# Altium PCB STB_LightBoard.PcbDoc (part 28 of 31)
Units mm, origin at the board's own origin, x right, y up, seen from the top; angles counter-clockwise.
Board outline 348 x 348 mm, 2 copper layers (Top Layer, Bottom Layer), stack 1.672 mm thick; 3807 components, 3391 nets, 11616 pads, 2553 vias.
Unrouted connection lines stored in the file: 68.
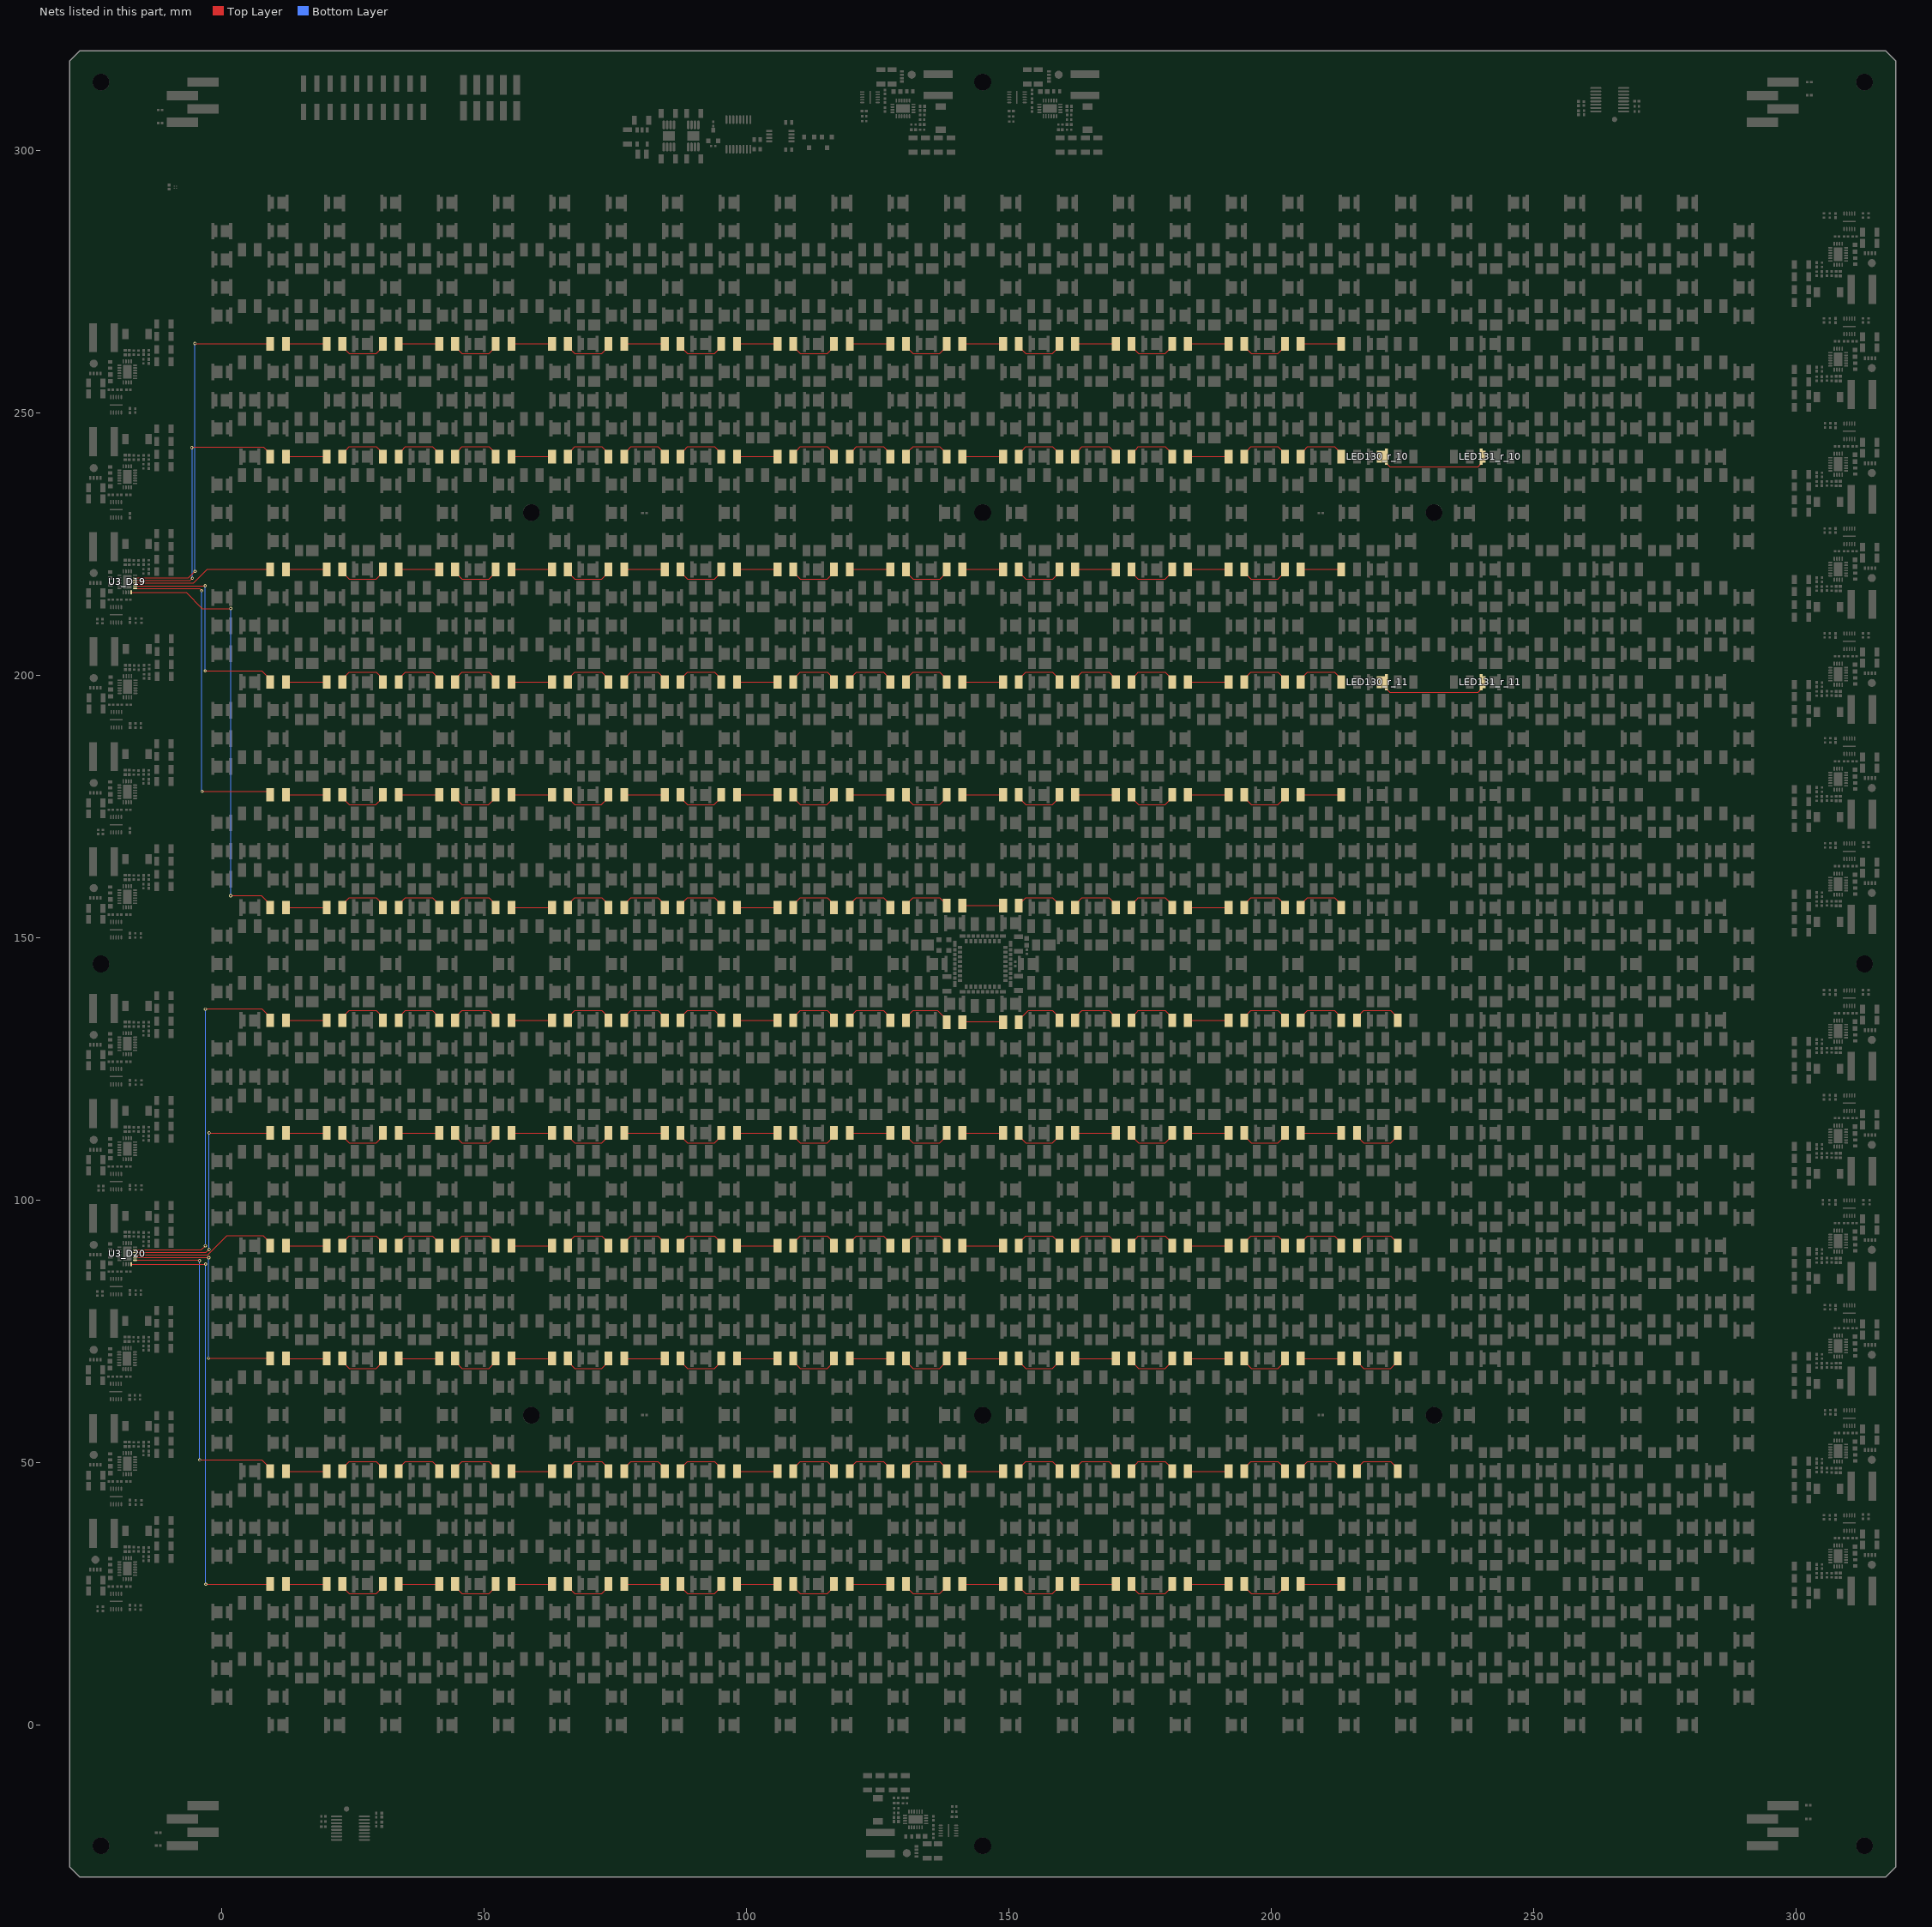
[diagram p28: the nets of this part, all layers, seen from the top]

## Via types
v1: diameter 0.604, hole 0.3, Top Layer to Bottom Layer, tented both sides, 2553 vias

## Nets (pads, with @x,y where several pads share a name; then routed paths per layer and width w, separated by ;. In a path a pad name is that pad's centre, name@x,y a point inside that pad or via, vN(x,y) a via of type N, cw(c..) or ccw(c..) an arc to the next point about the centre after c; other vN are vias at no path point) (continued)
NetLED109_IR850_21_1: LED109_IR850_21.1 LED110_IR850_21.2 | length 9.4
  Top Layer w0.2: LED110_IR850_21.2@216.32,48.884 217.293,49.857 217.293,49.865 217.616,50.188 222.757,50.188 224.061,48.884 LED109_IR850_21.1@224.061,48.334
NetLED109_IR850_22_1: LED109_IR850_22.1 LED110_IR850_22.2 | length 8.8
  Top Layer w0.2: LED110_IR850_22.2@216.32,69.266 217.624,67.962 222.757,67.962 LED109_IR850_22.1@224.061,69.266
NetLED109_IR850_23_1: LED109_IR850_23.1 LED110_IR850_23.2 | length 9.4
  Top Layer w0.2: LED110_IR850_23.2@216.32,91.848 217.293,92.821 217.293,92.829 217.616,93.152 222.757,93.152 224.061,91.848 LED109_IR850_23.1@224.061,91.298
NetLED109_IR850_24_1: LED109_IR850_24.1 LED110_IR850_24.2 | length 8.8
  Top Layer w0.2: LED110_IR850_24.2@216.32,112.23 217.624,110.926 222.757,110.926 LED109_IR850_24.1@224.061,112.23
NetLED109_IR850_25_1: LED109_IR850_25.1 LED110_IR850_25.2 | length 9.4
  Top Layer w0.2: LED110_IR850_25.2@216.32,134.812 217.293,135.785 217.293,135.793 217.616,136.116 222.757,136.116 224.061,134.812 LED109_IR850_25.1@224.061,134.262
NetLED110_IR850_10_1: LED110_IR850_10.1 LED111_IR850_10.2 | length 9.4
  Top Layer w0.2: LED111_IR850_10.2@205.579,156.294 206.552,157.267 206.552,157.275 206.875,157.598 212.016,157.598 213.32,156.294 LED110_IR850_10.1@213.32,155.744
NetLED110_IR850_11_1: LED110_IR850_11.1 LED111_IR850_11.2 | length 7.7
  Top Layer w0.2: LED111_IR850_11.2@205.579,177.226 LED110_IR850_11.1@213.32,177.226
NetLED110_IR850_12_1: LED110_IR850_12.1 LED111_IR850_12.2 | length 9.4
  Top Layer w0.2: LED111_IR850_12.2@205.579,199.258 206.552,200.231 206.552,200.239 206.875,200.562 212.016,200.562 213.32,199.258 LED110_IR850_12.1@213.32,198.708
NetLED110_IR850_13_1: LED110_IR850_13.1 LED111_IR850_13.2 | length 7.7
  Top Layer w0.2: LED111_IR850_13.2@205.579,220.19 LED110_IR850_13.1@213.32,220.19
NetLED110_IR850_14_1: LED110_IR850_14.1 LED111_IR850_14.2 | length 9.4
  Top Layer w0.2: LED111_IR850_14.2@205.579,242.222 206.552,243.195 206.552,243.203 206.875,243.526 212.016,243.526 213.32,242.222 LED110_IR850_14.1@213.32,241.672
NetLED110_IR850_15_1: LED110_IR850_15.1 LED111_IR850_15.2 | length 7.7
  Top Layer w0.2: LED111_IR850_15.2@205.579,263.154 LED110_IR850_15.1@213.32,263.154
NetLED110_IR850_20_1: LED110_IR850_20.1 LED111_IR850_20.2 | length 7.7
  Top Layer w0.2: LED111_IR850_20.2@205.579,26.852 LED110_IR850_20.1@213.32,26.852
NetLED110_IR850_21_1: LED110_IR850_21.1 LED111_IR850_21.2 | length 9.4
  Top Layer w0.2: LED111_IR850_21.2@205.579,48.884 206.552,49.857 206.552,49.865 206.875,50.188 212.016,50.188 213.32,48.884 LED110_IR850_21.1@213.32,48.334
NetLED110_IR850_22_1: LED110_IR850_22.1 LED111_IR850_22.2 | length 7.7
  Top Layer w0.2: LED111_IR850_22.2@205.579,69.816 LED110_IR850_22.1@213.32,69.816
NetLED110_IR850_23_1: LED110_IR850_23.1 LED111_IR850_23.2 | length 9.4
  Top Layer w0.2: LED111_IR850_23.2@205.579,91.848 206.552,92.821 206.552,92.829 206.875,93.152 212.016,93.152 213.32,91.848 LED110_IR850_23.1@213.32,91.298
NetLED110_IR850_24_1: LED110_IR850_24.1 LED111_IR850_24.2 | length 7.7
  Top Layer w0.2: LED111_IR850_24.2@205.579,112.78 LED110_IR850_24.1@213.32,112.78
NetLED110_IR850_25_1: LED110_IR850_25.1 LED111_IR850_25.2 | length 9.4
  Top Layer w0.2: LED111_IR850_25.2@205.579,134.812 206.552,135.785 206.552,135.793 206.875,136.116 212.016,136.116 213.32,134.812 LED110_IR850_25.1@213.32,134.262
NetLED111_IR850_10_1: LED111_IR850_10.1 LED112_IR850_10.2 | length 9.4
  Top Layer w0.2: LED112_IR850_10.2@194.838,156.294 195.811,157.267 195.811,157.275 196.134,157.598 201.275,157.598 202.579,156.294 LED111_IR850_10.1@202.579,155.744
NetLED111_IR850_11_1: LED111_IR850_11.1 LED112_IR850_11.2 | length 8.8
  Top Layer w0.2: LED112_IR850_11.2@194.838,176.676 196.168,175.346 201.249,175.346 LED111_IR850_11.1@202.579,176.676
NetLED111_IR850_12_1: LED111_IR850_12.1 LED112_IR850_12.2 | length 9.4
  Top Layer w0.2: LED112_IR850_12.2@194.838,199.258 195.811,200.231 195.811,200.239 196.134,200.562 201.275,200.562 202.579,199.258 LED111_IR850_12.1@202.579,198.708
NetLED111_IR850_13_1: LED111_IR850_13.1 LED112_IR850_13.2 | length 9.9
  Top Layer w0.2: LED112_IR850_13.2@194.838,220.19 194.838,219.64 196.135,218.343 201.282,218.343 202.579,219.64 LED111_IR850_13.1@202.579,220.19
NetLED111_IR850_14_1: LED111_IR850_14.1 LED112_IR850_14.2 | length 9.4
  Top Layer w0.2: LED112_IR850_14.2@194.838,242.222 195.811,243.195 195.811,243.203 196.134,243.526 201.275,243.526 202.579,242.222 LED111_IR850_14.1@202.579,241.672
NetLED111_IR850_15_1: LED111_IR850_15.1 LED112_IR850_15.2 | length 8.8
  Top Layer w0.2: LED112_IR850_15.2@194.838,262.604 196.142,261.3 201.275,261.3 LED111_IR850_15.1@202.579,262.604
NetLED111_IR850_20_1: LED111_IR850_20.1 LED112_IR850_20.2 | length 8.8
  Top Layer w0.2: LED112_IR850_20.2@194.838,26.302 196.142,24.998 201.275,24.998 LED111_IR850_20.1@202.579,26.302
NetLED111_IR850_21_1: LED111_IR850_21.1 LED112_IR850_21.2 | length 9.4
  Top Layer w0.2: LED112_IR850_21.2@194.838,48.884 195.811,49.857 195.811,49.865 196.134,50.188 201.275,50.188 202.579,48.884 LED111_IR850_21.1@202.579,48.334
NetLED111_IR850_22_1: LED111_IR850_22.1 LED112_IR850_22.2 | length 8.8
  Top Layer w0.2: LED112_IR850_22.2@194.838,69.266 196.142,67.962 201.275,67.962 LED111_IR850_22.1@202.579,69.266
NetLED111_IR850_23_1: LED111_IR850_23.1 LED112_IR850_23.2 | length 9.4
  Top Layer w0.2: LED112_IR850_23.2@194.838,91.848 195.811,92.821 195.811,92.829 196.134,93.152 201.275,93.152 202.579,91.848 LED111_IR850_23.1@202.579,91.298
NetLED111_IR850_24_1: LED111_IR850_24.1 LED112_IR850_24.2 | length 8.8
  Top Layer w0.2: LED112_IR850_24.2@194.838,112.23 196.142,110.926 201.275,110.926 LED111_IR850_24.1@202.579,112.23
NetLED111_IR850_25_1: LED111_IR850_25.1 LED112_IR850_25.2 | length 9.4
  Top Layer w0.2: LED112_IR850_25.2@194.838,134.812 195.811,135.785 195.811,135.793 196.134,136.116 201.275,136.116 202.579,134.812 LED111_IR850_25.1@202.579,134.262
NetLED112_IR850_10_1: LED112_IR850_10.1 LED113_IR850_10.2 | length 7.7
  Top Layer w0.2: LED113_IR850_10.2@184.097,155.744 LED112_IR850_10.1@191.838,155.744
NetLED112_IR850_11_1: LED112_IR850_11.1 LED113_IR850_11.2 | length 7.7
  Top Layer w0.2: LED113_IR850_11.2@184.097,177.226 LED112_IR850_11.1@191.838,177.226
NetLED112_IR850_12_1: LED112_IR850_12.1 LED113_IR850_12.2 | length 7.7
  Top Layer w0.2: LED113_IR850_12.2@184.097,198.708 LED112_IR850_12.1@191.838,198.708
NetLED112_IR850_13_1: LED112_IR850_13.1 LED113_IR850_13.2 | length 7.7
  Top Layer w0.2: LED113_IR850_13.2@184.097,220.19 LED112_IR850_13.1@191.838,220.19
NetLED112_IR850_14_1: LED112_IR850_14.1 LED113_IR850_14.2 | length 7.7
  Top Layer w0.2: LED113_IR850_14.2@184.097,241.672 LED112_IR850_14.1@191.838,241.672
NetLED112_IR850_15_1: LED112_IR850_15.1 LED113_IR850_15.2 | length 7.7
  Top Layer w0.2: LED113_IR850_15.2@184.097,263.154 LED112_IR850_15.1@191.838,263.154
NetLED112_IR850_20_1: LED112_IR850_20.1 LED113_IR850_20.2 | length 7.7
  Top Layer w0.2: LED113_IR850_20.2@184.097,26.852 LED112_IR850_20.1@191.838,26.852
NetLED112_IR850_21_1: LED112_IR850_21.1 LED113_IR850_21.2 | length 7.7
  Top Layer w0.2: LED113_IR850_21.2@184.097,48.334 LED112_IR850_21.1@191.838,48.334
NetLED112_IR850_22_1: LED112_IR850_22.1 LED113_IR850_22.2 | length 7.7
  Top Layer w0.2: LED113_IR850_22.2@184.097,69.816 LED112_IR850_22.1@191.838,69.816
NetLED112_IR850_23_1: LED112_IR850_23.1 LED113_IR850_23.2 | length 7.7
  Top Layer w0.2: LED113_IR850_23.2@184.097,91.298 LED112_IR850_23.1@191.838,91.298
NetLED112_IR850_24_1: LED112_IR850_24.1 LED113_IR850_24.2 | length 7.7
  Top Layer w0.2: LED113_IR850_24.2@184.097,112.78 LED112_IR850_24.1@191.838,112.78
NetLED112_IR850_25_1: LED112_IR850_25.1 LED113_IR850_25.2 | length 7.7
  Top Layer w0.2: LED113_IR850_25.2@184.097,134.262 LED112_IR850_25.1@191.838,134.262
NetLED113_IR850_10_1: LED113_IR850_10.1 LED114_IR850_10.2 | length 9.4
  Top Layer w0.2: LED114_IR850_10.2@173.356,156.294 174.329,157.267 174.329,157.275 174.652,157.598 179.793,157.598 181.097,156.294 LED113_IR850_10.1@181.097,155.744
NetLED113_IR850_11_1: LED113_IR850_11.1 LED114_IR850_11.2 | length 8.8
  Top Layer w0.2: LED114_IR850_11.2@173.356,176.676 174.686,175.346 179.767,175.346 LED113_IR850_11.1@181.097,176.676
NetLED113_IR850_12_1: LED113_IR850_12.1 LED114_IR850_12.2 | length 9.4
  Top Layer w0.2: LED114_IR850_12.2@173.356,199.258 174.329,200.231 174.329,200.239 174.652,200.562 179.793,200.562 181.097,199.258 LED113_IR850_12.1@181.097,198.708
NetLED113_IR850_13_1: LED113_IR850_13.1 LED114_IR850_13.2 | length 9.9
  Top Layer w0.2: LED114_IR850_13.2@173.356,220.19 173.356,219.64 174.653,218.343 179.8,218.343 181.097,219.64 LED113_IR850_13.1@181.097,220.19
NetLED113_IR850_14_1: LED113_IR850_14.1 LED114_IR850_14.2 | length 9.4
  Top Layer w0.2: LED114_IR850_14.2@173.356,242.222 174.329,243.195 174.329,243.203 174.652,243.526 179.793,243.526 181.097,242.222 LED113_IR850_14.1@181.097,241.672
NetLED113_IR850_15_1: LED113_IR850_15.1 LED114_IR850_15.2 | length 8.8
  Top Layer w0.2: LED114_IR850_15.2@173.356,262.604 174.66,261.3 179.793,261.3 LED113_IR850_15.1@181.097,262.604
NetLED113_IR850_20_1: LED113_IR850_20.1 LED114_IR850_20.2 | length 8.8
  Top Layer w0.2: LED114_IR850_20.2@173.356,26.302 174.66,24.998 179.793,24.998 LED113_IR850_20.1@181.097,26.302
NetLED113_IR850_21_1: LED113_IR850_21.1 LED114_IR850_21.2 | length 9.4
  Top Layer w0.2: LED114_IR850_21.2@173.356,48.884 174.329,49.857 174.329,49.865 174.652,50.188 179.793,50.188 181.097,48.884 LED113_IR850_21.1@181.097,48.334
NetLED113_IR850_22_1: LED113_IR850_22.1 LED114_IR850_22.2 | length 8.8
  Top Layer w0.2: LED114_IR850_22.2@173.356,69.266 174.66,67.962 179.793,67.962 LED113_IR850_22.1@181.097,69.266
NetLED113_IR850_23_1: LED113_IR850_23.1 LED114_IR850_23.2 | length 9.4
  Top Layer w0.2: LED114_IR850_23.2@173.356,91.848 174.329,92.821 174.329,92.829 174.652,93.152 179.793,93.152 181.097,91.848 LED113_IR850_23.1@181.097,91.298
NetLED113_IR850_24_1: LED113_IR850_24.1 LED114_IR850_24.2 | length 8.8
  Top Layer w0.2: LED114_IR850_24.2@173.356,112.23 174.66,110.926 179.793,110.926 LED113_IR850_24.1@181.097,112.23
NetLED113_IR850_25_1: LED113_IR850_25.1 LED114_IR850_25.2 | length 9.4
  Top Layer w0.2: LED114_IR850_25.2@173.356,134.812 174.329,135.785 174.329,135.793 174.652,136.116 179.793,136.116 181.097,134.812 LED113_IR850_25.1@181.097,134.262
NetLED114_IR850_10_1: LED114_IR850_10.1 LED115_IR850_10.2 | length 9.4
  Top Layer w0.2: LED115_IR850_10.2@162.615,156.294 163.588,157.267 163.588,157.275 163.911,157.598 169.052,157.598 170.356,156.294 LED114_IR850_10.1@170.356,155.744
NetLED114_IR850_11_1: LED114_IR850_11.1 LED115_IR850_11.2 | length 7.7
  Top Layer w0.2: LED115_IR850_11.2@162.615,177.226 LED114_IR850_11.1@170.356,177.226
NetLED114_IR850_12_1: LED114_IR850_12.1 LED115_IR850_12.2 | length 9.4
  Top Layer w0.2: LED115_IR850_12.2@162.615,199.258 163.588,200.231 163.588,200.239 163.911,200.562 169.052,200.562 170.356,199.258 LED114_IR850_12.1@170.356,198.708
NetLED114_IR850_13_1: LED114_IR850_13.1 LED115_IR850_13.2 | length 7.7
  Top Layer w0.2: LED115_IR850_13.2@162.615,220.19 LED114_IR850_13.1@170.356,220.19
NetLED114_IR850_14_1: LED114_IR850_14.1 LED115_IR850_14.2 | length 9.4
  Top Layer w0.2: LED115_IR850_14.2@162.615,242.222 163.588,243.195 163.588,243.203 163.911,243.526 169.052,243.526 170.356,242.222 LED114_IR850_14.1@170.356,241.672
NetLED114_IR850_15_1: LED114_IR850_15.1 LED115_IR850_15.2 | length 7.7
  Top Layer w0.2: LED115_IR850_15.2@162.615,263.154 LED114_IR850_15.1@170.356,263.154
NetLED114_IR850_20_1: LED114_IR850_20.1 LED115_IR850_20.2 | length 7.7
  Top Layer w0.2: LED115_IR850_20.2@162.615,26.852 LED114_IR850_20.1@170.356,26.852
NetLED114_IR850_21_1: LED114_IR850_21.1 LED115_IR850_21.2 | length 9.4
  Top Layer w0.2: LED115_IR850_21.2@162.615,48.884 163.588,49.857 163.588,49.865 163.911,50.188 169.052,50.188 170.356,48.884 LED114_IR850_21.1@170.356,48.334
NetLED114_IR850_22_1: LED114_IR850_22.1 LED115_IR850_22.2 | length 7.7
  Top Layer w0.2: LED115_IR850_22.2@162.615,69.816 LED114_IR850_22.1@170.356,69.816
NetLED114_IR850_23_1: LED114_IR850_23.1 LED115_IR850_23.2 | length 9.4
  Top Layer w0.2: LED115_IR850_23.2@162.615,91.848 163.588,92.821 163.588,92.829 163.911,93.152 169.052,93.152 170.356,91.848 LED114_IR850_23.1@170.356,91.298
NetLED114_IR850_24_1: LED114_IR850_24.1 LED115_IR850_24.2 | length 7.7
  Top Layer w0.2: LED115_IR850_24.2@162.615,112.78 LED114_IR850_24.1@170.356,112.78
NetLED114_IR850_25_1: LED114_IR850_25.1 LED115_IR850_25.2 | length 9.4
  Top Layer w0.2: LED115_IR850_25.2@162.615,134.812 163.588,135.785 163.588,135.793 163.911,136.116 169.052,136.116 170.356,134.812 LED114_IR850_25.1@170.356,134.262
NetLED115_IR850_10_1: LED115_IR850_10.1 LED116_IR850_10.2 | length 9.4
  Top Layer w0.2: LED116_IR850_10.2@151.874,156.294 152.847,157.267 152.847,157.275 153.17,157.598 158.311,157.598 159.615,156.294 LED115_IR850_10.1@159.615,155.744
NetLED115_IR850_11_1: LED115_IR850_11.1 LED116_IR850_11.2 | length 8.8
  Top Layer w0.2: LED116_IR850_11.2@151.874,176.676 153.204,175.346 158.285,175.346 LED115_IR850_11.1@159.615,176.676
NetLED115_IR850_12_1: LED115_IR850_12.1 LED116_IR850_12.2 | length 9.4
  Top Layer w0.2: LED116_IR850_12.2@151.874,199.258 152.847,200.231 152.847,200.239 153.17,200.562 158.311,200.562 159.615,199.258 LED115_IR850_12.1@159.615,198.708
NetLED115_IR850_13_1: LED115_IR850_13.1 LED116_IR850_13.2 | length 9.9
  Top Layer w0.2: LED116_IR850_13.2@151.874,220.19 151.874,219.64 153.171,218.343 158.318,218.343 159.615,219.64 LED115_IR850_13.1@159.615,220.19
NetLED115_IR850_14_1: LED115_IR850_14.1 LED116_IR850_14.2 | length 9.4
  Top Layer w0.2: LED116_IR850_14.2@151.874,242.222 152.847,243.195 152.847,243.203 153.17,243.526 158.311,243.526 159.615,242.222 LED115_IR850_14.1@159.615,241.672
NetLED115_IR850_15_1: LED115_IR850_15.1 LED116_IR850_15.2 | length 8.8
  Top Layer w0.2: LED116_IR850_15.2@151.874,262.604 153.178,261.3 158.311,261.3 LED115_IR850_15.1@159.615,262.604
NetLED115_IR850_20_1: LED115_IR850_20.1 LED116_IR850_20.2 | length 8.8
  Top Layer w0.2: LED116_IR850_20.2@151.874,26.302 153.178,24.998 158.311,24.998 LED115_IR850_20.1@159.615,26.302
NetLED115_IR850_21_1: LED115_IR850_21.1 LED116_IR850_21.2 | length 9.4
  Top Layer w0.2: LED116_IR850_21.2@151.874,48.884 152.847,49.857 152.847,49.865 153.17,50.188 158.311,50.188 159.615,48.884 LED115_IR850_21.1@159.615,48.334
NetLED115_IR850_22_1: LED115_IR850_22.1 LED116_IR850_22.2 | length 8.8
  Top Layer w0.2: LED116_IR850_22.2@151.874,69.266 153.178,67.962 158.311,67.962 LED115_IR850_22.1@159.615,69.266
NetLED115_IR850_23_1: LED115_IR850_23.1 LED116_IR850_23.2 | length 9.4
  Top Layer w0.2: LED116_IR850_23.2@151.874,91.848 152.847,92.821 152.847,92.829 153.17,93.152 158.311,93.152 159.615,91.848 LED115_IR850_23.1@159.615,91.298
NetLED115_IR850_24_1: LED115_IR850_24.1 LED116_IR850_24.2 | length 8.8
  Top Layer w0.2: LED116_IR850_24.2@151.874,112.23 153.178,110.926 158.311,110.926 LED115_IR850_24.1@159.615,112.23
NetLED115_IR850_25_1: LED115_IR850_25.1 LED116_IR850_25.2 | length 9.4
  Top Layer w0.2: LED116_IR850_25.2@151.874,134.812 152.124,135.062 152.625,135.062 153.679,136.116 158.311,136.116 159.615,134.812 LED115_IR850_25.1@159.615,134.262
NetLED116_IR850_10_1: LED116_IR850_10.1 LED117_IR850_10.2 | length 7.7
  Top Layer w0.2: LED117_IR850_10.2@141.133,156.144 LED116_IR850_10.1@148.874,156.144
NetLED116_IR850_11_1: LED116_IR850_11.1 LED117_IR850_11.2 | length 7.7
  Top Layer w0.2: LED117_IR850_11.2@141.133,177.226 LED116_IR850_11.1@148.874,177.226
NetLED116_IR850_12_1: LED116_IR850_12.1 LED117_IR850_12.2 | length 7.7
  Top Layer w0.2: LED117_IR850_12.2@141.133,198.708 LED116_IR850_12.1@148.874,198.708
NetLED116_IR850_13_1: LED116_IR850_13.1 LED117_IR850_13.2 | length 7.7
  Top Layer w0.2: LED117_IR850_13.2@141.133,220.19 LED116_IR850_13.1@148.874,220.19
NetLED116_IR850_14_1: LED116_IR850_14.1 LED117_IR850_14.2 | length 7.7
  Top Layer w0.2: LED117_IR850_14.2@141.133,241.672 LED116_IR850_14.1@148.874,241.672
NetLED116_IR850_15_1: LED116_IR850_15.1 LED117_IR850_15.2 | length 7.7
  Top Layer w0.2: LED117_IR850_15.2@141.133,263.154 LED116_IR850_15.1@148.874,263.154
NetLED116_IR850_20_1: LED116_IR850_20.1 LED117_IR850_20.2 | length 7.7
  Top Layer w0.2: LED117_IR850_20.2@141.133,26.852 LED116_IR850_20.1@148.874,26.852
NetLED116_IR850_21_1: LED116_IR850_21.1 LED117_IR850_21.2 | length 7.7
  Top Layer w0.2: LED117_IR850_21.2@141.133,48.334 LED116_IR850_21.1@148.874,48.334
NetLED116_IR850_22_1: LED116_IR850_22.1 LED117_IR850_22.2 | length 7.7
  Top Layer w0.2: LED117_IR850_22.2@141.133,69.816 LED116_IR850_22.1@148.874,69.816
NetLED116_IR850_23_1: LED116_IR850_23.1 LED117_IR850_23.2 | length 7.7
  Top Layer w0.2: LED117_IR850_23.2@141.133,91.298 LED116_IR850_23.1@148.874,91.298
NetLED116_IR850_24_1: LED116_IR850_24.1 LED117_IR850_24.2 | length 7.7
  Top Layer w0.2: LED117_IR850_24.2@141.133,112.78 LED116_IR850_24.1@148.874,112.78
NetLED116_IR850_25_1: LED116_IR850_25.1 LED117_IR850_25.2 | length 7.8
  Top Layer w0.2: LED117_IR850_25.2@141.133,133.862 141.259,133.988 148.748,133.988 LED116_IR850_25.1@148.874,133.862
NetLED117_IR850_10_1: LED117_IR850_10.1 LED118_IR850_10.2 | length 9.4
  Top Layer w0.2: LED118_IR850_10.2@130.392,156.294 131.365,157.267 131.365,157.275 131.688,157.598 136.829,157.598 138.133,156.294 LED117_IR850_10.1@138.133,155.744
NetLED117_IR850_11_1: LED117_IR850_11.1 LED118_IR850_11.2 | length 8.8
  Top Layer w0.2: LED118_IR850_11.2@130.392,176.676 131.722,175.346 136.803,175.346 LED117_IR850_11.1@138.133,176.676
NetLED117_IR850_12_1: LED117_IR850_12.1 LED118_IR850_12.2 | length 9.4
  Top Layer w0.2: LED118_IR850_12.2@130.392,199.258 131.365,200.231 131.365,200.239 131.688,200.562 136.829,200.562 138.133,199.258 LED117_IR850_12.1@138.133,198.708
NetLED117_IR850_13_1: LED117_IR850_13.1 LED118_IR850_13.2 | length 9.9
  Top Layer w0.2: LED118_IR850_13.2@130.392,220.19 130.392,219.64 131.689,218.343 136.836,218.343 138.133,219.64 LED117_IR850_13.1@138.133,220.19
NetLED117_IR850_14_1: LED117_IR850_14.1 LED118_IR850_14.2 | length 9.4
  Top Layer w0.2: LED118_IR850_14.2@130.392,242.222 131.516,243.346 131.529,243.346 131.71,243.526 136.829,243.526 138.133,242.222 LED117_IR850_14.1@138.133,241.672
NetLED117_IR850_15_1: LED117_IR850_15.1 LED118_IR850_15.2 | length 8.8
  Top Layer w0.2: LED118_IR850_15.2@130.392,262.604 131.696,261.3 136.829,261.3 LED117_IR850_15.1@138.133,262.604
NetLED117_IR850_20_1: LED117_IR850_20.1 LED118_IR850_20.2 | length 8.8
  Top Layer w0.2: LED118_IR850_20.2@130.392,26.302 131.696,24.998 136.829,24.998 LED117_IR850_20.1@138.133,26.302
NetLED117_IR850_21_1: LED117_IR850_21.1 LED118_IR850_21.2 | length 9.4
  Top Layer w0.2: LED118_IR850_21.2@130.392,48.884 131.365,49.857 131.365,49.865 131.688,50.188 136.829,50.188 138.133,48.884 LED117_IR850_21.1@138.133,48.334
NetLED117_IR850_22_1: LED117_IR850_22.1 LED118_IR850_22.2 | length 8.8
  Top Layer w0.2: LED118_IR850_22.2@130.392,69.266 131.696,67.962 136.829,67.962 LED117_IR850_22.1@138.133,69.266
NetLED117_IR850_23_1: LED117_IR850_23.1 LED118_IR850_23.2 | length 9.4
  Top Layer w0.2: LED118_IR850_23.2@130.392,91.848 131.365,92.821 131.365,92.829 131.688,93.152 136.829,93.152 138.133,91.848 LED117_IR850_23.1@138.133,91.298
NetLED117_IR850_24_1: LED117_IR850_24.1 LED118_IR850_24.2 | length 8.8
  Top Layer w0.2: LED118_IR850_24.2@130.392,112.23 131.696,110.926 136.829,110.926 LED117_IR850_24.1@138.133,112.23
NetLED117_IR850_25_1: LED117_IR850_25.1 LED118_IR850_25.2 | length 9.1
  Top Layer w0.2: LED118_IR850_25.2@130.392,134.812 131.365,135.785 131.365,135.793 131.688,136.116 136.352,136.116 137.406,135.062 137.483,135.062 138.133,134.412 LED117_IR850_25.1@138.133,134.262
NetLED118_IR850_10_1: LED118_IR850_10.1 LED119_IR850_10.2 | length 9.4
  Top Layer w0.2: LED119_IR850_10.2@119.651,156.294 120.624,157.267 120.624,157.275 120.947,157.598 126.088,157.598 127.392,156.294 LED118_IR850_10.1@127.392,155.744

## Text inside footprints (layer, text, board x,y; h text height)
LED132_r_12: Mechanical 1 "K" at 254.318,158.016 h0.51 r180; Mechanical 1 "A" at 250.889,158.016 h0.51 r180
LED132_r_13: Mechanical 1 "K" at 254.318,136.536 h0.51 r180; Mechanical 1 "A" at 250.889,136.536 h0.51 r180
LED132_r_14: Mechanical 1 "K" at 254.318,93.576 h0.51 r180; Mechanical 1 "A" at 250.889,93.576 h0.51 r180
LED132_r_15: Mechanical 1 "K" at 254.318,50.616 h0.51 r180; Mechanical 1 "A" at 250.889,50.616 h0.51 r180
LED133_r_10: Mechanical 1 "K" at 265.059,243.936 h0.51 r180; Mechanical 1 "A" at 261.63,243.936 h0.51 r180
LED133_r_11: Mechanical 1 "K" at 265.059,200.976 h0.51 r180; Mechanical 1 "A" at 261.63,200.976 h0.51 r180
LED133_r_12: Mechanical 1 "K" at 265.059,158.016 h0.51 r180; Mechanical 1 "A" at 261.63,158.016 h0.51 r180
LED133_r_13: Mechanical 1 "K" at 265.059,136.536 h0.51 r180; Mechanical 1 "A" at 261.63,136.536 h0.51 r180
LED133_r_14: Mechanical 1 "K" at 265.059,93.576 h0.51 r180; Mechanical 1 "A" at 261.63,93.576 h0.51 r180
LED133_r_15: Mechanical 1 "K" at 265.059,50.616 h0.51 r180; Mechanical 1 "A" at 261.63,50.616 h0.51 r180
LED134_r_10: Mechanical 1 "K" at 286.541,243.936 h0.51 r180; Mechanical 1 "A" at 283.112,243.936 h0.51 r180
LED134_r_11: Mechanical 1 "K" at 286.541,200.976 h0.51 r180; Mechanical 1 "A" at 283.112,200.976 h0.51 r180
LED134_r_12: Mechanical 1 "K" at 286.541,158.016 h0.51 r180; Mechanical 1 "A" at 283.112,158.016 h0.51 r180
LED134_r_13: Mechanical 1 "K" at 286.541,136.536 h0.51 r180; Mechanical 1 "A" at 283.112,136.536 h0.51 r180
LED134_r_14: Mechanical 1 "K" at 286.541,93.576 h0.51 r180; Mechanical 1 "A" at 283.112,93.576 h0.51 r180
LED134_r_15: Mechanical 1 "K" at 286.541,50.616 h0.51 r180; Mechanical 1 "A" at 283.112,50.616 h0.51 r180
LED135_b_10: Mechanical 1 "K" at 7.275,254.676 h0.51 r180; Mechanical 1 "A" at 3.846,254.676 h0.51 r180
LED135_b_11: Mechanical 1 "K" at 7.275,211.716 h0.51 r180; Mechanical 1 "A" at 3.846,211.716 h0.51 r180
LED135_b_12: Mechanical 1 "K" at 7.275,168.756 h0.51 r180; Mechanical 1 "A" at 3.846,168.756 h0.51 r180
LED135_b_13: Mechanical 1 "K" at 7.275,125.796 h0.51 r180; Mechanical 1 "A" at 3.846,125.796 h0.51 r180
LED135_b_14: Mechanical 1 "K" at 7.275,82.836 h0.51 r180; Mechanical 1 "A" at 3.846,82.836 h0.51 r180
LED135_b_15: Mechanical 1 "K" at 7.275,39.876 h0.51 r180; Mechanical 1 "A" at 3.846,39.876 h0.51 r180
LED136_b_10: Mechanical 1 "K" at 28.757,254.676 h0.51 r180; Mechanical 1 "A" at 25.328,254.676 h0.51 r180
LED136_b_11: Mechanical 1 "K" at 28.757,211.716 h0.51 r180; Mechanical 1 "A" at 25.328,211.716 h0.51 r180
LED136_b_12: Mechanical 1 "K" at 28.757,168.756 h0.51 r180; Mechanical 1 "A" at 25.328,168.756 h0.51 r180
LED136_b_13: Mechanical 1 "K" at 28.757,125.796 h0.51 r180; Mechanical 1 "A" at 25.328,125.796 h0.51 r180
LED136_b_14: Mechanical 1 "K" at 28.757,82.836 h0.51 r180; Mechanical 1 "A" at 25.328,82.836 h0.51 r180
LED136_b_15: Mechanical 1 "K" at 28.757,39.876 h0.51 r180; Mechanical 1 "A" at 25.328,39.876 h0.51 r180
LED137_b_10: Mechanical 1 "K" at 50.239,254.676 h0.51 r180; Mechanical 1 "A" at 46.81,254.676 h0.51 r180
LED137_b_11: Mechanical 1 "K" at 50.239,211.716 h0.51 r180; Mechanical 1 "A" at 46.81,211.716 h0.51 r180
LED137_b_12: Mechanical 1 "K" at 50.239,168.756 h0.51 r180; Mechanical 1 "A" at 46.81,168.756 h0.51 r180
LED137_b_13: Mechanical 1 "K" at 50.239,125.796 h0.51 r180; Mechanical 1 "A" at 46.81,125.796 h0.51 r180
LED137_b_14: Mechanical 1 "K" at 50.239,82.836 h0.51 r180; Mechanical 1 "A" at 46.81,82.836 h0.51 r180
LED137_b_15: Mechanical 1 "K" at 50.239,39.876 h0.51 r180; Mechanical 1 "A" at 46.81,39.876 h0.51 r180
LED138_b_10: Mechanical 1 "K" at 71.721,254.676 h0.51 r180; Mechanical 1 "A" at 68.292,254.676 h0.51 r180
LED138_b_11: Mechanical 1 "K" at 71.721,211.716 h0.51 r180; Mechanical 1 "A" at 68.292,211.716 h0.51 r180
LED138_b_12: Mechanical 1 "K" at 71.721,168.756 h0.51 r180; Mechanical 1 "A" at 68.292,168.756 h0.51 r180
LED138_b_13: Mechanical 1 "K" at 71.721,125.796 h0.51 r180; Mechanical 1 "A" at 68.292,125.796 h0.51 r180
LED138_b_14: Mechanical 1 "K" at 71.721,82.836 h0.51 r180; Mechanical 1 "A" at 68.292,82.836 h0.51 r180
LED138_b_15: Mechanical 1 "K" at 71.721,39.876 h0.51 r180; Mechanical 1 "A" at 68.292,39.876 h0.51 r180
LED139_b_10: Mechanical 1 "K" at 93.203,254.676 h0.51 r180; Mechanical 1 "A" at 89.774,254.676 h0.51 r180
LED139_b_11: Mechanical 1 "K" at 93.203,211.716 h0.51 r180; Mechanical 1 "A" at 89.774,211.716 h0.51 r180
LED139_b_12: Mechanical 1 "K" at 93.203,168.756 h0.51 r180; Mechanical 1 "A" at 89.774,168.756 h0.51 r180
LED139_b_13: Mechanical 1 "K" at 93.203,125.796 h0.51 r180; Mechanical 1 "A" at 89.774,125.796 h0.51 r180
LED139_b_14: Mechanical 1 "K" at 93.203,82.836 h0.51 r180; Mechanical 1 "A" at 89.774,82.836 h0.51 r180
LED139_b_15: Mechanical 1 "K" at 93.203,39.876 h0.51 r180; Mechanical 1 "A" at 89.774,39.876 h0.51 r180
LED140_b_10: Mechanical 1 "K" at 114.685,254.676 h0.51 r180; Mechanical 1 "A" at 111.256,254.676 h0.51 r180
LED140_b_11: Mechanical 1 "K" at 114.685,211.716 h0.51 r180; Mechanical 1 "A" at 111.256,211.716 h0.51 r180
LED140_b_12: Mechanical 1 "K" at 114.685,168.756 h0.51 r180; Mechanical 1 "A" at 111.256,168.756 h0.51 r180
LED140_b_13: Mechanical 1 "K" at 114.685,125.796 h0.51 r180; Mechanical 1 "A" at 111.256,125.796 h0.51 r180
LED140_b_14: Mechanical 1 "K" at 114.685,82.836 h0.51 r180; Mechanical 1 "A" at 111.256,82.836 h0.51 r180
LED140_b_15: Mechanical 1 "K" at 114.685,39.876 h0.51 r180; Mechanical 1 "A" at 111.256,39.876 h0.51 r180
LED141_b_10: Mechanical 1 "K" at 136.167,254.676 h0.51 r180; Mechanical 1 "A" at 132.738,254.676 h0.51 r180
LED141_b_11: Mechanical 1 "K" at 136.167,211.716 h0.51 r180; Mechanical 1 "A" at 132.738,211.716 h0.51 r180
LED141_b_12: Mechanical 1 "K" at 136.167,168.756 h0.51 r180; Mechanical 1 "A" at 132.738,168.756 h0.51 r180
LED141_b_13: Mechanical 1 "K" at 136.167,125.796 h0.51 r180; Mechanical 1 "A" at 132.738,125.796 h0.51 r180
LED141_b_14: Mechanical 1 "K" at 136.167,82.836 h0.51 r180; Mechanical 1 "A" at 132.738,82.836 h0.51 r180
LED141_b_15: Mechanical 1 "K" at 136.167,39.876 h0.51 r180; Mechanical 1 "A" at 132.738,39.876 h0.51 r180
LED142_b_10: Mechanical 1 "K" at 157.649,254.676 h0.51 r180; Mechanical 1 "A" at 154.22,254.676 h0.51 r180
LED142_b_11: Mechanical 1 "K" at 157.649,211.716 h0.51 r180; Mechanical 1 "A" at 154.22,211.716 h0.51 r180
LED142_b_12: Mechanical 1 "K" at 157.649,168.756 h0.51 r180; Mechanical 1 "A" at 154.22,168.756 h0.51 r180
LED142_b_13: Mechanical 1 "K" at 157.649,125.796 h0.51 r180; Mechanical 1 "A" at 154.22,125.796 h0.51 r180
LED142_b_14: Mechanical 1 "K" at 157.649,82.836 h0.51 r180; Mechanical 1 "A" at 154.22,82.836 h0.51 r180
LED142_b_15: Mechanical 1 "K" at 157.649,39.876 h0.51 r180; Mechanical 1 "A" at 154.22,39.876 h0.51 r180
LED143_b_10: Mechanical 1 "K" at 179.131,254.676 h0.51 r180; Mechanical 1 "A" at 175.702,254.676 h0.51 r180
LED143_b_11: Mechanical 1 "K" at 179.131,211.716 h0.51 r180; Mechanical 1 "A" at 175.702,211.716 h0.51 r180
LED143_b_12: Mechanical 1 "K" at 179.131,168.756 h0.51 r180; Mechanical 1 "A" at 175.702,168.756 h0.51 r180
LED143_b_13: Mechanical 1 "K" at 179.131,125.796 h0.51 r180; Mechanical 1 "A" at 175.702,125.796 h0.51 r180
LED143_b_14: Mechanical 1 "K" at 179.131,82.836 h0.51 r180; Mechanical 1 "A" at 175.702,82.836 h0.51 r180
LED143_b_15: Mechanical 1 "K" at 179.131,39.876 h0.51 r180; Mechanical 1 "A" at 175.702,39.876 h0.51 r180
LED144_b_10: Mechanical 1 "K" at 200.613,254.676 h0.51 r180; Mechanical 1 "A" at 197.184,254.676 h0.51 r180
LED144_b_11: Mechanical 1 "K" at 200.613,211.716 h0.51 r180; Mechanical 1 "A" at 197.184,211.716 h0.51 r180
LED144_b_12: Mechanical 1 "K" at 200.613,168.756 h0.51 r180; Mechanical 1 "A" at 197.184,168.756 h0.51 r180
LED144_b_13: Mechanical 1 "K" at 200.613,125.796 h0.51 r180; Mechanical 1 "A" at 197.184,125.796 h0.51 r180
LED144_b_14: Mechanical 1 "K" at 200.613,82.836 h0.51 r180; Mechanical 1 "A" at 197.184,82.836 h0.51 r180
LED144_b_15: Mechanical 1 "K" at 200.613,39.876 h0.51 r180; Mechanical 1 "A" at 197.184,39.876 h0.51 r180
LED145_b_10: Mechanical 1 "K" at 222.095,254.676 h0.51 r180; Mechanical 1 "A" at 218.666,254.676 h0.51 r180
LED145_b_11: Mechanical 1 "K" at 222.095,211.716 h0.51 r180; Mechanical 1 "A" at 218.666,211.716 h0.51 r180
LED145_b_12: Mechanical 1 "K" at 222.095,168.756 h0.51 r180; Mechanical 1 "A" at 218.666,168.756 h0.51 r180
LED145_b_13: Mechanical 1 "K" at 222.095,125.796 h0.51 r180; Mechanical 1 "A" at 218.666,125.796 h0.51 r180
LED145_b_14: Mechanical 1 "K" at 222.095,82.836 h0.51 r180; Mechanical 1 "A" at 218.666,82.836 h0.51 r180
LED145_b_15: Mechanical 1 "K" at 222.095,39.876 h0.51 r180; Mechanical 1 "A" at 218.666,39.876 h0.51 r180
LED146_b_10: Mechanical 1 "K" at 243.577,254.676 h0.51 r180; Mechanical 1 "A" at 240.148,254.676 h0.51 r180
LED146_b_11: Mechanical 1 "K" at 243.577,211.716 h0.51 r180; Mechanical 1 "A" at 240.148,211.716 h0.51 r180
LED146_b_12: Mechanical 1 "K" at 243.577,168.756 h0.51 r180; Mechanical 1 "A" at 240.148,168.756 h0.51 r180
LED146_b_13: Mechanical 1 "K" at 243.577,125.796 h0.51 r180; Mechanical 1 "A" at 240.148,125.796 h0.51 r180
LED146_b_14: Mechanical 1 "K" at 243.577,82.836 h0.51 r180; Mechanical 1 "A" at 240.148,82.836 h0.51 r180
LED146_b_15: Mechanical 1 "K" at 243.577,39.876 h0.51 r180; Mechanical 1 "A" at 240.148,39.876 h0.51 r180
LED147_b_10: Mechanical 1 "K" at 265.059,254.676 h0.51 r180; Mechanical 1 "A" at 261.63,254.676 h0.51 r180
LED147_b_11: Mechanical 1 "K" at 265.059,211.716 h0.51 r180; Mechanical 1 "A" at 261.63,211.716 h0.51 r180
LED147_b_12: Mechanical 1 "K" at 265.059,168.756 h0.51 r180; Mechanical 1 "A" at 261.63,168.756 h0.51 r180
LED147_b_13: Mechanical 1 "K" at 265.059,125.796 h0.51 r180; Mechanical 1 "A" at 261.63,125.796 h0.51 r180
LED147_b_14: Mechanical 1 "K" at 265.059,82.836 h0.51 r180; Mechanical 1 "A" at 261.63,82.836 h0.51 r180
LED147_b_15: Mechanical 1 "K" at 265.059,39.876 h0.51 r180; Mechanical 1 "A" at 261.63,39.876 h0.51 r180
LED148_b_10: Mechanical 1 "K" at 286.541,254.676 h0.51 r180; Mechanical 1 "A" at 283.112,254.676 h0.51 r180
LED148_b_11: Mechanical 1 "K" at 286.541,211.716 h0.51 r180; Mechanical 1 "A" at 283.112,211.716 h0.51 r180
LED148_b_12: Mechanical 1 "K" at 286.541,168.756 h0.51 r180; Mechanical 1 "A" at 283.112,168.756 h0.51 r180
LED148_b_13: Mechanical 1 "K" at 286.541,125.796 h0.51 r180; Mechanical 1 "A" at 283.112,125.796 h0.51 r180
LED148_b_14: Mechanical 1 "K" at 286.541,82.836 h0.51 r180; Mechanical 1 "A" at 283.112,82.836 h0.51 r180
LED148_b_15: Mechanical 1 "K" at 286.541,39.876 h0.51 r180; Mechanical 1 "A" at 283.112,39.876 h0.51 r180
X1_TC1: Top Overlay "1" at 290.761,303.591 h1.52 r270
X1_TC2: Top Overlay "1" at 290.761,-24.789 h1.52 r270
X2_TC1: Top Overlay "1" at -0.761,314.789 h1.52 r90
X2_TC2: Top Overlay "1" at -0.761,-13.591 h1.52 r90
X3: Top Overlay "20" at 39.36,313 h1.02; Top Overlay "19" at 39.36,306 h1.02; Top Overlay "2" at 15.225,315.1 h1.02; Top Overlay "1" at 15.425,304.3 h1.02